# KiCad board RASRF2400WBMC.kicad_pcb (continued)
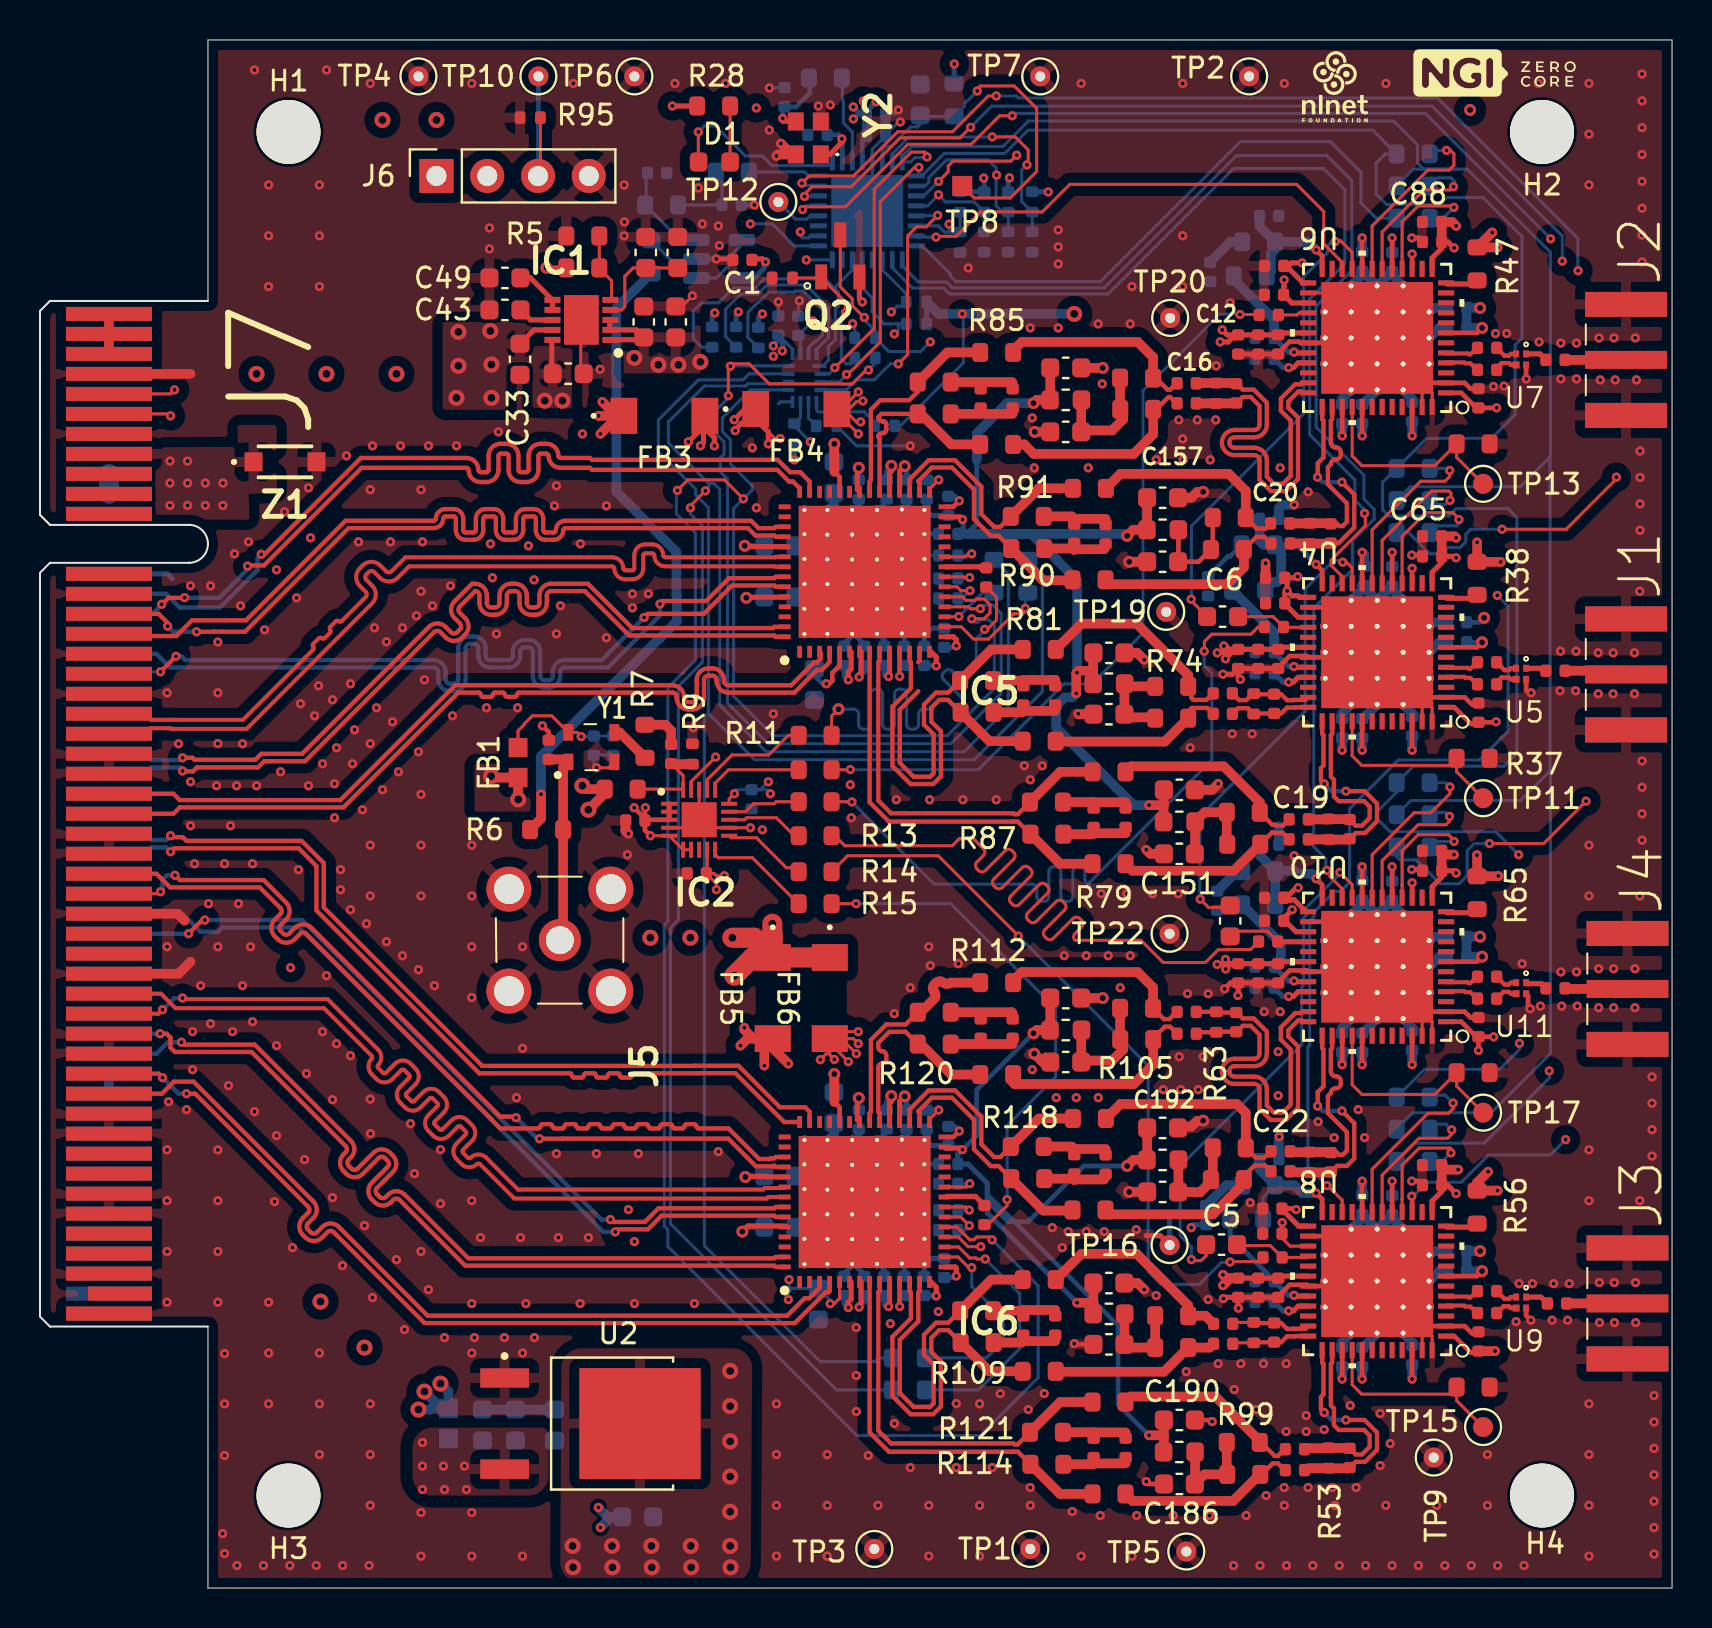
[diagram p0: board, top side]
## Routing (per net, layer and track width the routed paths; a pad name or vN(x,y) marks a point on that pad's centre or on a via; arc(x,y) is an arc through that point) (continued)
/RF-TRANS_4/MAX_CLKOUT: length 25.9
  Top w0.152: v1(65.02,35.8) 65.63,35.18 U10.21 ; C5.1 58.32,16.62 58.08,16.38 57.64,16.38 v1(57.59,16.42)
  Bottom w0.152: v1(65.02,35.8) 64.87,35.64 64.87,35.56 63.33,34.03 63.33,33.62 63.31,33.62 63.21,33.52 63.21,30.16 63.11,30.07 63.11,27.19 57.03,21.1 57.03,17.63 57.21,17.45 57.59,17.06 v1(57.59,16.42)
/RF-TRANS_4/MAX_RXRF_N: length 1.7
  Top w0.2: U10.5 70.36,30.3 71.41,30.3 71.46,30.25 71.55,30.25 71.87,30.57 C146.2
/RF-TRANS_4/MAX_RXRF_P: length 1.7
  Top w0.2: C147.2 71.87,29.47 71.55,29.8 71.29,29.8 71.24,29.85 70.36,29.85 U10.4
/RF-TRANS_4/RFRX: length 1.1
  Top w0.254: U11.1 74.38,30.22 75.09,30.22 C10.2
/RF-TRANS_4/RXBBI_N: length 11.1
  Top w0.216: v1(65.12,23.86) 65.73,23.25 65.73,21.48 65.37,21.11 64.89,21.11 64.59,20.81 C140.2 ; U10.37 64.13,27 64.2,26.94 64.2,25.09 63.91,24.81 63.91,24.11 v1(63.9,24.1)
  Top w0.483: 62.53,20.79 63.51,20.79 R62.2 64.53,20.78 C140.2
  Bottom w0.216: v1(63.9,24.1) 64.15,23.85 65.12,23.85 v1(65.12,23.86)
/RF-TRANS_4/RXBBI_P: length 9.8
  Top w0.216: U10.38 64.63,27 64.57,26.94 64.57,25.83 arc(64.64,25.66) 64.81,25.59 64.83,25.59 arc(65,25.52) 65.07,25.35 65.07,25.23 arc(65,25.06) 64.83,24.99 64.81,24.99 arc(64.64,24.92) 64.57,24.75 64.42,24.61 64.42,23.75 65.37,22.81 65.37,21.87 65.16,21.66 64.98,21.66 64.87,21.77 C140.1 64.53,21.8 ; 63.51,21.79 R62.1
  Top w0.483: 62.51,21.79 63.51,21.79 ; R62.1 64.53,21.8
/RF-TRANS_4/RXBBQ_N: length 17.9
  Top w0.216: C18.1 57.84,28.82 R63.2 58.87,28.78 C141.2 59.86,28.78 60.16,28.49 60.71,28.49 61.36,27.83 61.36,26.73 arc(61.18,26.29) 60.74,26.1 59.75,26.1 arc(59.56,26.03) 59.48,25.84 arc(59.56,25.66) 59.75,25.58 60.74,25.58 arc(61.18,25.4) 61.36,24.95 61.36,24.13 61.72,23.78 62.16,23.78 62.56,24.17 62.56,26.94 62.07,27.43 62.07,28.04 62.78,28.76 63.09,28.76 63.15,28.82 U10.35
/RF-TRANS_4/RXBBQ_P: length 17.9
  Top w0.216: C30.1 57.91,27.8 R63.1 58.86,27.82 C141.1 59.86,27.82 60.16,28.12 60.56,28.12 61,27.68 61,26.73 arc(60.92,26.55) 60.74,26.47 59.75,26.47 arc(59.3,26.29) 59.12,25.84 arc(59.3,25.4) 59.75,25.21 60.74,25.21 arc(60.92,25.14) 61,24.95 61,23.98 61.56,23.41 62.32,23.41 62.92,24.02 62.92,27.09 62.43,27.58 62.43,27.89 62.94,28.39 63.09,28.39 63.15,28.32 U10.36
/RF-TRANS_4/RXRF_N: length 1.2
  Top w0.216: U11.2 73.57,30.27 73.48,30.18 73.25,30.18 C146.1
/RF-TRANS_4/RXRF_P: length 1.1
  Top w0.216: C147.1 73.2,29.82 73.48,29.82 73.57,29.72 U11.3
/RF-TRANS_4/XTAL_MAX: length 4.2
  Top w0.152: C13.2 61.39,32.85 59.79,32.85 C4.2
  Top w0.254: U10.28 61.92,32.32 C13.2
/SPI_MOSI: length 121.9
  Top w0.152: v1(40.34,60.7) 40.41,60.7 42.03,62.33 42.03,69.34 43.74,71.06 v1(43.96,71.06)
  In3.Cu w0.152: v1(73.96,36.67) 73.58,36.3 73.58,27.67 v1(74,27.25)
  Bottom w0.152: v1(43.96,71.06) 43.96,70.75 IC3.9 44.1,70.62 45.22,71.75 48.25,71.75 48.35,71.85 48.35,71.85 49.42,72.92 66.67,72.92 R50.1 67.29,71.72 66.83,71.27 66.83,69.72 67.36,69.2 70,69.2 70.34,69.54 72.19,69.54 74.13,67.59 74.13,62.52 73.78,62.17 73.78,58.67 72.61,57.5 69.36,57.5 R41.1 67.15,55.3 67.15,53.93 67.47,53.61 70.46,53.61 70.83,53.98 73.42,53.98 73.87,53.53 73.87,41.75 73.23,41.11 68.69,41.11 R68.1 67.86,39.8 66.89,38.83 66.89,38.46 67.53,37.83 72.81,37.83 v1(73.96,36.67) ; v1(74,27.25) 74,26.94 73.01,25.94 69.25,25.94 R59.1 ; U3.3 39.99,60.33 40.26,60.6 40.26,60.63 v1(40.34,60.7)
/SPI_SCLK: length 122.1
  Top w0.152: v1(39.76,61.03) 39.9,61.18 39.9,61.18 41.73,63 41.73,69.47 41.73,69.48 41.73,69.97 43.58,71.81 44.27,71.81 44.37,71.72 v1(44.37,71.58)
  Bottom w0.152: 75.55,40.83 75.55,26.73 72.59,23.77 68.68,23.77 R58.1 ; 75.55,40.83 75.48,40.83 74.04,39.39 68.57,39.39 R67.1 ; 75.55,40.83 75.53,40.84 75.53,56.58 75.55,56.59 ; v1(39.76,61.03) 39.76,61.03 39.76,61.03 39.46,60.73 U3.2 ; 75.55,56.59 74.04,55.08 68.54,55.08 R40.1 ; 75.55,56.59 75.55,60.26 75.54,60.26 75.54,60.67 75.55,60.67 75.55,66.81 71.39,70.97 68.7,70.97 R49.1 ; v1(44.37,71.58) 44.33,71.54 43.76,71.54 43.54,71.33 IC3.8 43.13,71.62 43.6,72.09 48.16,72.09 48.22,72.15 48.22,72.16 49.44,73.38 67.7,73.38 68.9,72.17 68.9,71.28 69.21,70.97 70.88,70.97
/uCONTROLLER&LLV-SHIFTER/I2C_SCL: length 45.5
  Top w0.152: v1(6.73,59.92) 6.53,59.72 J7.B5
  In3.Cu w0.152: v1(6.73,59.92) 6.83,59.92 8.03,58.72 26.11,58.72 26.11,58.73 26.42,58.73 26.8,59.11 26.82,59.11 28.23,60.53 34.03,60.53 34.13,60.42 38.03,60.42 40.33,62.72 41.48,62.72 v1(42.58,63.83)
  Bottom w0.152: IC3.19 42.13,65.92 43.33,64.72 R17.2 43.12,64.11 42.87,64.11 v1(42.58,63.83)
/uCONTROLLER&LLV-SHIFTER/I2C_SDA: length 46.7
  Top w0.152: J7.B6 6.43,58.72 v1(6.53,58.62)
  In3.Cu w0.152: v1(6.53,58.62) 6.83,58.33 26.43,58.33 28.33,60.22 33.93,60.22 34.03,60.12 38.13,60.12 39.52,61.52 40.33,62.33 42.33,62.33 v1(42.73,62.72)
  Bottom w0.152: IC3.21 41.13,65.03 41.33,64.82 41.33,64.81 41.62,64.53 41.62,63.84 42.23,63.22 42.93,63.22 ; v1(42.73,62.72) 42.93,62.92 42.93,63.22 ; R16.1 42.93,63.22
/uCONTROLLER&LLV-SHIFTER/LVL_SH_EN: length 22.4
  In3.Cu w0.152: v1(38.53,57.33) 39.23,56.62 39.98,56.62 40.28,56.92 40.83,56.92 42.83,58.92 42.83,60.33 43.83,61.33 43.83,64.53 40.33,68.03 38.23,68.03 v1(38.03,67.83)
  Bottom w0.152: v1(38.53,57.33) 37.85,58.01 37.85,58.12 ; v1(38.03,67.83) 38.03,67.62 38.13,67.53 38.43,67.53 38.53,67.62 IC3.26 ; U3.7 38.04,58.54 R30.2
/uCONTROLLER&LLV-SHIFTER/NRST: length 18.2
  Top w0.152: TP8.1 46.73,69.53 48.53,69.53 49.85,70.84 49.85,74 48.73,75.12 47.03,75.12 46.88,74.97 v1(46.88,74.88)
  Bottom w0.152: IC3.6 42.13,71.92 42.31,72.11 42.57,72.11 43.54,73.08 43.9,73.08 44.02,73.2 C53.1 44.07,73.6 R22.2 46.23,74.11 46.23,74.22 v1(46.88,74.88)
/uCONTROLLER&LLV-SHIFTER/OSC_VC: length 3.6
  Bottom w0.152: R3.1 38.24,70.83 38.44,70.62 IC3.32
/uCONTROLLER&LLV-SHIFTER/SCLK: length 23.4
  Top w0.152: R95.2 25.03,70.75 J6.3
  In3.Cu w0.152: J6.3 26.71,68.83 34.93,68.83 v1(35.53,68.22)
  Bottom w0.152: v1(35.53,68.22) 36.63,68.22 37.73,67.12 IC3.25
  Bottom w0.23: 24.93,75.62 24.93,70.65 J6.3
/uCONTROLLER&LLV-SHIFTER/SPI_CS: length 16.7
  Bottom w0.152: U3.1 39.16,61.12 39.43,61.39 39.43,62.09 39.78,62.44 39.78,63.71 39.78,63.71 39.78,63.97 39.93,64.12 39.93,64.83 39.73,65.03 ; 39.73,65.03 39.28,65.48 36.23,65.48 35.77,65.02 34.69,65.02 33.94,64.28 33.08,64.28 32.68,63.88 32.68,62.47 33.1,62.06 R29.2 ; 39.73,65.03 40.63,65.92 IC3.22
/uCONTROLLER&LLV-SHIFTER/SPI_MISO: length 14
  Top w0.152: v1(42.93,61.22) 43.4,61.69 43.4,67.64 43.85,68.08 44.33,68.08 v1(44.9,68.66)
  Bottom w0.152: IC3.13 43.84,68.64 44.88,68.64 v1(44.9,68.66) ; v1(42.93,61.22) 42.53,61.22 41.73,60.42 40.83,60.42 40.33,59.92 U3.4
/uCONTROLLER&LLV-SHIFTER/SWDIO: length 19.6
  In3.Cu w0.152: J6.2 26.04,66.96 32.46,66.96 33.13,67.62 35.66,67.62 36.58,66.71 37.54,66.71 37.83,66.42 v1(38.33,66.42)
  Bottom w0.152: IC3.24 v1(38.33,66.42)
Net-(C3-Pad1): length 3.7
  Bottom w0.152: C3.1 34.11,70.52 R3.2 ; R2.2 33.82,69.17
Net-(C36-Pad1): length 6.4
  Top w0.152: FB1.2 23.91,42.88 24.23,43.19 24.23,43.22 24.63,43.62 25.6,43.62 Y1.4 26.86,42.79 v1(27.07,42.58)
  Bottom w0.152: v1(27.07,42.58) 27.67,42.58 C36.1 C39.1
Net-(C44-Pad2): length 2.1
  Top w0.483: C44.2 31.57,42.89 31.28,43.17 R7.2
Net-(C81-Pad2): length 2.4
  Bottom w0.23: C81.2 58.43,50.61 59.42,51.6 59.53,51.6 R43.1
Net-(C104-Pad2): length 2
  Bottom w0.483: R52.1 59.53,67.32 58.53,66.33 C104.2
Net-(C127-Pad2): length 2.2
  Bottom w0.483: C127.2 59.35,20.15 R61.1
Net-(C150-Pad2): length 1.7
  Bottom w0.483: C150.2 59.9,35.87 R70.1
Net-(C151-Pad1): length 5
  Top w0.483: C151.1 57.78,36.73 L1.1 58.25,38.8 R72.2 59.36,37.22 R71.1
Net-(C152-Pad1): length 4.9
  Top w0.483: 54.39,43.55 54.24,43.7 C152.1 ; C152.1 54.24,45.22 L2.1 54.39,45.09 R73.1 ; C152.1 54.4,43.55 55.78,43.55
Net-(C153-Pad1): length 5.1
  Top w0.23: L3.1 56.94,51.34 C153.1 57.95,51.33 R75.1 58.66,52.04 R76.2
Net-(C154-Pad1): length 5.8
  Top w0.483: R77.1 54.02,58.96 R78.2 54.18,58.8 54.18,58.45 53.63,57.9 52.48,57.9 52.4,57.83 ; L4.1 52.08,59.41 C154.1
Net-(C159-Pad1): length 3.1
  Top w0.483: R87.1 52.66,37.7 52.7,37.75 54.3,37.75
Net-(C159-Pad2): length 3.1
  Top w0.483: R94.2 52.69,39.31 52.7,39.3 54.3,39.3
Net-(C160-Pad1): length 3.1
  Top w0.483: R88.1 49.14,45.38 49.18,45.42 50.78,45.42
Net-(C160-Pad2): length 3.1
  Top w0.483: R89.2 49.1,43.8 49.18,43.87 50.78,43.87
Net-(C161-Pad1): length 3
  Top w0.483: R90.1 51.66,51.99 51.73,51.92 51.76,51.95 53.24,51.95
Net-(C161-Pad2): length 3.1
  Top w0.483: R91.2 51.61,53.6 51.73,53.47 53.3,53.47
Net-(C162-Pad1): length 3.1
  Top w0.483: 48.65,60.27 48.61,60.31 R92.1
Net-(C162-Pad2): length 3.1
  Top w0.483: R93.2 48.65,58.72
Net-(C186-Pad1): length 5
  Top w0.483: L5.1 57.78,5.22 C186.1 58.24,5.68 R98.1 59.36,5.71 R99.2
Net-(C187-Pad1): length 4.9
  Top w0.483: C187.1 54.4,12.03 R101.2 R100.1 ; C187.1 54.24,13.7 L6.1 ; C187.1 54.24,12.18 54.39,12.03
Net-(C188-Pad1): length 5.2
  Top w0.483: L7.1 56.94,19.82 C188.1 57.64,19.81 57.65,19.8 58.03,19.8 58.66,20.43 R103.2
Net-(C189-Pad1): length 5.8
  Top w0.483: L8.1 52.08,27.89 C189.1 ; 52.4,26.31 52.48,26.38 53.63,26.38 54.18,26.93 54.18,27.29 R105.2 54.02,27.44 R104.1
Net-(C194-Pad1): length 3.1
  Top w0.483: R114.1 52.66,6.19 52.7,6.23 54.3,6.23
Net-(C194-Pad2): length 3.1
  Top w0.483: 54.3,7.78 52.7,7.78 52.69,7.79 R121.2
Net-(C195-Pad1): length 3.1
  Top w0.483: R115.1 49.14,13.87 49.18,13.9 50.78,13.9
Net-(C195-Pad2): length 3.1
  Top w0.483: 50.78,12.35 49.18,12.35 49.1,12.28 R116.2
Net-(C196-Pad1): length 3
  Top w0.483: R117.1 51.66,20.47 51.73,20.41 51.76,20.44 53.24,20.44
Net-(C196-Pad2): length 3.1
  Top w0.483: 53.3,21.96 51.73,21.96 51.61,22.08 R118.2
Net-(C197-Pad1): length 3.1
  Top w0.483: R119.1 48.61,28.8 48.65,28.75
Net-(C197-Pad2): length 3.1
  Top w0.483: R120.2 48.65,27.21
Net-(D1-A): length 2.8
  Top w0.152: R28.1 D1.2
Net-(D1-K): length 9.2
  Top w0.152: D1.1 32.93,71.34 v1(32.93,72.83)
  Bottom w0.152: IC3.1 39.45,71.14 36.62,71.14 36.24,71.53 36.23,71.53 36.13,71.62 35.28,71.62 33.78,73.12 33.23,73.12 v1(32.93,72.83)
Net-(IC1-BYP): length 5.2
  Top w0.152: C38.1 C40.1 29.67,66.03 29.25,65.61 29.25,64.08 29.09,63.92 28.5,63.92
Net-(IC1-EN): length 3.5
  Top w0.152: R5.2 R4.1 ; 28.5,64.42 28.59,64.52 28.59,65.38 27.95,66.02
Net-(IC1-REF): length 2.6
  Top w0.254: C49.1 24.53,65.53 IC1.6 IC1.7
Net-(IC1-VREG): length 1.8
  Top w0.254: IC1.8 24.53,63.42 C43.1
Net-(IC2-CLKOUT1): length 6
  Top w0.152: IC2.17 33.37,40.42 34.61,41.67 36.45,41.67 37.44,42.65 R11.1
Net-(IC2-CLKOUT2): length 4.8
  Top w0.152: IC2.16 33.77,40.25 34.44,40.92 R10.1
Net-(IC2-CLKOUT3): length 3.7
  Top w0.152: R12.1 36.82,39.33 36.72,39.22 35.69,39.22 35.28,38.83 IC2.14
Net-(IC2-CLKOUT4): length 3.8
  Top w0.152: IC2.13 35.24,38.42 35.34,38.53 36.83,38.53 37.63,37.72 37.81,37.72 37.91,37.62
Net-(IC2-CLKOUT5): length 4.2
  Top w0.152: R14.1 37.75,36.03 37.33,36.03 35.93,37.43 35.93,37.44 35.84,37.53 34.57,37.53 IC2.11
Net-(IC2-CLKOUT6): length 5.4
  Top w0.152: R15.1 37.93,34.22 35.63,36.53 33.93,36.53 33.77,36.69 IC2.10
Net-(IC3-PB4): length 2.4
  Bottom w0.152: IC3.28 38.51,68.62 38.34,68.46 37.79,68.46 TP12.1
Net-(IC3-PC14-OSCX_IN): length 3.6
  Top w0.152: 40.07,72.47 40.08,72.48 v1(40.11,72.48)
  Top w0.254: 40.07,72.47 40.13,72.41 40.13,72.33 39.5,71.7 Y2.1
  Bottom w0.23: IC3.2 40.13,72.46 v1(40.11,72.48) 40.11,72.53 39.95,72.69 39.38,72.69 C52.1
Net-(IC3-PC15-OSCX_OUT): length 4.4
  Bottom w0.152: R25.2 40.1,75.08 40.13,75.05 40.13,74.41 40.18,74.36 40.18,73.28 40.63,72.83 IC3.3
Net-(IC5-CLKM): length 1.9
  Top w0.152: v1(46.5,50.54) 46.21,50.54 46.18,50.57 IC5.21
  Bottom w0.152: C167.2 46.27,50.5 46.32,50.54 v1(46.5,50.54)
Net-(IC5-SCLK): length 5.9
  Top w0.152: v1(49.28,49) 49.28,48.85 49.16,48.72 48.68,48.72 48.68,48.7 47.45,47.46 46.69,47.46 46.08,48.07 IC5.16
  Bottom w0.152: v1(49.28,49) 49.28,49.65 R96.2
Net-(IC5-SDATA): length 3
  Top w0.152: v1(45.96,48.59) 45.93,48.59 45.91,48.57 IC5.17
  Bottom w0.152: R97.2 47.15,49.78 v1(45.96,48.59)
Net-(IC6-CLKM): length 1.9
  Top w0.152: IC6.21 46.32,19.06 v1(46.48,18.9)
  Bottom w0.152: C202.2 v1(46.48,18.9)
Net-(IC6-SCLK): length 10.2
  Top w0.152: v1(46.6,16.03) 46.46,16.03 45.92,16.56 IC6.16
  Bottom w0.152: v1(46.6,16.03) 46.6,15.08 48.18,13.5 48.18,12.35 47.34,11.51 R123.2
Net-(IC6-SDATA): length 13.1
  Top w0.152: IC6.17 45.95,17.06 46.5,16.51 46.81,16.51 46.86,16.45 v1(47.28,16.45)
  Bottom w0.152: R124.2 46.94,9.91 49,11.97 49,14.73 v1(47.28,16.45)
Net-(J5-I): length 10.1
  Top w0.483: J5.5 26.17,32.57 R6.1 26.17,41.05 Y1.1 26.3,41.44 C41.1
Net-(J7-+12V-PadA2): length 1
  Bottom w0.483: J7.A2 J7.A3
Net-(J7-+12V-PadB1): length 2
  Top w0.483: J7.B3 J7.B2 J7.B1
Net-(Q2-Pad1): length 6.9
  Top w0.152: 37.83,65.53 39.03,65.53 Q2.1 39.07,65.53 40.29,64.31 40.29,63.79 v1(40.29,63.79)
  Bottom w0.152: R126.2 40.75,61.42 40.55,61.22 40.33,61.22 40.08,61.47 40.08,62.31 40.08,62.32 40.08,63.59 v1(40.29,63.79)
Net-(R7-Pad1): length 2.1
  Top w0.483: Y1.3 28.99,42.79 R7.1
Net-(U1-+): length 4.9
  Bottom w0.152: U1.3 32.02,67.42 R2.1 30.32,69.22 30.32,70.77
Net-(U1--): length 6.5
  Bottom w0.152: R1.2 32.44,65.52 U1.1 33.83,65.52 34.63,66.32 34.63,66.72 35.1,67.2 U1.4
Net-(U2-VIN): length 0.1
  Bottom w0.483: 20.53,7.38 FB2.1
  vias: v1(19.13,7.28) v1(19.13,6.1) v1(19.13,4.93) v1(20.18,6.1) v1(20.23,4.93) v1(21.23,6.1) v1(21.33,4.93)
Net-(U3-DIR1): length 9.1
  Bottom w0.152: U3.15 38.44,62.03 38.75,62.34 38.81,62.34 39.13,62.66 39.13,63.92 38.19,64.87 37.79,64.87 37.73,64.81 36.45,64.81 35.94,64.3 35.91,64.3 35.41,63.81 35.41,63.62 35.4,63.61 35.4,62.55 R34.1
Net-(U3-DIR2): length 10.8
  Bottom w0.152: U3.16 38.84,61.94 39.43,62.53 39.43,64.05 38.31,65.17 36.36,65.17 35.9,64.71 35.05,64.71 34.29,63.96 34.29,62.58 R33.1
Net-(U3-DIR3): length 3.7
  Bottom w0.152: U3.5 38.84,58.92 38.93,58.83 41.23,58.83 41.73,58.33 R32.1
Net-(U3-DIR4): length 1.4
  Bottom w0.152: R31.1 38.44,58.52 U3.6
Net-(U4A-*SHDN): length 1.6
  Top w0.254: U4.12 70.38,49.5 71.71,49.5 R38.2
Net-(U4A-BYPASS): length 2
  Top w0.254: v1(62.46,45.31) 62.69,45.31 62.93,45.55 U4.33
  Bottom w0.254: v1(62.46,45.31) 62.17,45.31 C76.2
Net-(U4A-DIN): length 9
  Top w0.152: v1(70.51,55.89) 70.51,55.59 70.27,55.36 69.06,55.36 66.63,52.93 U4.19
  Bottom w0.152: v1(70.51,55.89) 70.41,56 R41.2
Net-(U4A-RSSI): length 7.7
  Top w0.152: v1(70.97,53.44) 70.87,53.55 70.87,53.59 70.67,53.78 69.32,53.78 68.13,52.6 68.13,50.89 68.13,50.89 U4.16
  Bottom w0.152: R39.2 69.84,53.12 70.87,53.12 70.97,53.23 v1(70.97,53.44)
Net-(U4A-RXHP): length 9.8
  Top w0.152: U4.40 65.63,41.62 66.11,41.14 70.5,41.14 R37.2 70.86,40.82 TP11.1
Net-(U4A-SCLK): length 8.2
  Top w0.152: v1(70.52,54.4) 70.57,54.44 70.57,54.77 70.47,54.86 69.6,54.86 67.13,52.4 U4.18
  Bottom w0.152: v1(70.52,54.4) 70.32,54.19 69.71,54.19 R40.2
Net-(U4A-TUNE): length 6
  Top w0.254: U4.32 62.83,46.05 62.79,46.09 v1(62.72,46.09)
  Bottom w0.254: C79.2 62.45,46.08 62.71,46.08 v1(62.72,46.09)
  Bottom w0.483: C79.2 61.73,47.8 R42.2
Net-(U6A-*SHDN): length 1.6
  Top w0.254: U6.12 70.38,65.22 71.71,65.22 R47.2
Net-(U6A-BYPASS): length 2
  Top w0.254: v1(62.46,61.04) 62.69,61.04 62.93,61.27 U6.33
  Bottom w0.254: C99.2 62.17,61.04 v1(62.46,61.04)
Net-(U6A-DIN): length 9.4
  Top w0.152: U6.19 66.63,68.13 69.42,70.92 70.48,70.92 70.72,71.16 70.72,71.73 70.55,71.91 v1(70.35,71.91)
  Bottom w0.152: R50.2 69.69,71.91 v1(70.35,71.91)
Net-(U6A-RSSI): length 6.7
  Top w0.152: v1(70.72,69.06) 70.65,69.12 68.93,69.12 68.13,68.33 68.13,66.61 U6.16
  Bottom w0.152: v1(70.72,69.06) 70.18,68.52 R48.2
Net-(U6A-RXHP): length 10.9
  Top w0.152: TP13.1 70.86,56.55 R46.2 69.77,56.14 66.12,56.14 65.63,56.62 U6.40
Net-(U6A-SCLK): length 8.1
  Top w0.152: U6.18 67.13,67.83 69.23,69.92 70.54,69.92 v1(70.7,70.08)
  Bottom w0.152: R49.2 69.52,70.12 69.92,70.53 70.58,70.53 70.76,70.34 70.76,70.14 v1(70.7,70.08)
Net-(U6A-TUNE): length 6
  Top w0.254: U6.32 62.83,61.77 62.79,61.82 v1(62.72,61.82)
  Bottom w0.254: C102.2 62.45,61.81 62.71,61.81 v1(62.72,61.82)
  Bottom w0.483: R51.2 59.81,65.52 59.81,65.35 61.73,63.42 C102.2
Net-(U8A-*SHDN): length 1.6
  Top w0.254: R56.2 71.71,18.05 70.38,18.05 U8.12
Net-(U8A-BYPASS): length 2
  Top w0.254: v1(62.46,13.86) 62.69,13.86 62.93,14.1 U8.33
  Bottom w0.254: C122.2 62.17,13.86 v1(62.46,13.86)
Net-(U8A-DIN): length 9.1
  Top w0.152: U8.19 66.63,20.95 69.43,23.75 70.45,23.75 70.68,23.97 v1(70.68,24.25)
  Bottom w0.152: R59.2 69.61,24.66 70.28,24.66 v1(70.68,24.25)
Net-(U8A-RSSI): length 6.6
  Top w0.152: U8.16 68.13,19.44 68.13,19.44 68.13,21.15 68.99,22 70.53,22 70.57,21.96 v1(70.57,21.77)
  Bottom w0.152: v1(70.57,21.77) 70.14,21.34 R57.2
Net-(U8A-RXHP): length 9.8
  Top w0.152: U8.40 65.63,10.17 66.11,9.69 70.5,9.69 R55.2 70.86,9.37 TP15.1
Net-(U8A-SCLK): length 7.7
  Top w0.152: U8.18 67.13,20.65 68.98,22.5 70.41,22.5 70.61,22.69 v1(70.61,22.92)
  Bottom w0.152: v1(70.61,22.92) 70.32,23.2 69.76,23.2 R58.2
Net-(U8A-TUNE): length 6
  Top w0.254: v1(62.72,14.64) 62.79,14.64 62.83,14.6 U8.32
  Bottom w0.254: R60.2 59.53,17.58 61.73,15.37 C125.2 62.45,14.63 62.71,14.63 v1(62.72,14.64)
Net-(U10A-*SHDN): length 1.6
  Top w0.254: R65.2 71.71,33.77 70.38,33.77 U10.12
Net-(U10A-BYPASS): length 2
  Top w0.254: v1(62.46,29.59) 62.69,29.59 62.93,29.82 U10.33
  Bottom w0.254: v1(62.46,29.59) 62.17,29.59 C145.2
Net-(U10A-DIN): length 8.7
  Top w0.152: U10.19 66.63,36.68 68.73,38.77 69.57,38.77 70.52,39.72 v1(70.52,40.06)
  Bottom w0.152: R68.2 70.31,40.27 v1(70.52,40.06)
Net-(U10A-RSSI): length 6.8
  Top w0.152: v1(70.73,37.34) 70.73,37.4 70.46,37.67 68.93,37.67 68.13,36.87 68.13,35.16 U10.16
  Bottom w0.152: R66.2 69.78,37.33 70.73,37.33 v1(70.73,37.34)
Net-(U10A-RXHP): length 10.9
  Top w0.152: U10.40 65.63,25.17 66.12,24.68 69.77,24.68 R64.2 70.86,25.1 TP17.1
Net-(U10A-SCLK): length 7.4
  Top w0.152: U10.18 67.13,36.38 68.93,38.17 70.32,38.17 70.5,38.36 v1(70.5,38.59)
  Bottom w0.152: v1(70.5,38.59) 70.31,38.78 69.62,38.78 R67.2
Net-(U10A-TUNE): length 6.1
  Top w0.254: U10.32 62.83,30.32 62.79,30.37 v1(62.72,30.37)
  Bottom w0.254: C148.2 62.45,30.36 62.71,30.36 v1(62.72,30.37)
  Bottom w0.483: C148.2 62.06,31.41 62.06,32.24 R69.2
Net-(Y2-X2): length 3.8
  Top w0.23: v1(37.15,73.5) 37.15,73.36 37.16,73.35 37.81,73.35
  Bottom w0.23: v1(37.15,73.5) 37.15,74 C54.1 37.25,74.08 37.81,74.08 38.5,74.77 38.5,75.47 R25.1

## Copper pours and planes (outline as drawn; the poured copper is in the pictures)
+1V8 on Top, Bottom, In2.Cu, In3.Cu: 35.54,0.26 26.02,0.26 26.08,12 35.63,12
+1V8 on In2.Cu: 37.33,59.22 37.23,59.12 35.63,59.12 35.63,58.53 29.73,58.53 29.73,60.22 35.23,60.22 35.23,62.33 37.33,62.33
+1V8 on In2.Cu, In3.Cu: 26.23,60.22 26.13,11.12 32.23,7.12 35.22,7.12 37.88,11.17 37.88,58.58 36.23,60.22
+3V3 on Top: 24.63,63.33 24.63,62.12 26.63,62.12 26.61,59 24.63,59.03 24.63,61.12 23.33,61.12 23.33,58.92 20.13,58.92 20.13,63.33
+3V3 on Top, Bottom: 9.88,57.07 9.88,58.17 11.84,58.17 11.85,54.78 10.43,54.72 10.48,53.42 1.18,53.5 1.18,57.03
+3V3 on Top, In2.Cu: 24.53,38.83 21.73,38.83 21.73,41.22 24.53,41.22
+3V3 on In2.Cu: 52.83,68.72 46.63,68.72 46.63,72.72 52.83,72.72
+3V3 on In2.Cu, In3.Cu: 75.03,74.53 74.93,15.72 72.63,15.72 72.63,15.53 70.53,15.53 70.53,15.72 69.33,15.72 69.33,71.72 34.93,71.72 34.93,67.03 36.53,67.03 36.53,63.53 31.83,63.53 31.83,71.72 18.53,71.72 18.53,69.33 26.53,69.33 26.53,59.03 13.53,58.94 13.93,17.83 20.43,11.12 21.43,11.12 21.43,8.12 18.13,8.12 10.73,15.92 10.73,53.42 1.18,53.39 1.23,62.92 16.03,63.03 16.03,74.53
+3V3 on In2.Cu, In3.Cu: 72.53,62.53 70.43,62.53 70.43,64.62 72.53,64.62
+3V3 on In2.Cu, In3.Cu: 73.13,46.92 71.03,46.92 71.03,49.03 73.13,49.03
+3V_RF on Top: 33.05,60.75 29.19,60.75 29.19,63.16 33.05,63.16
+3V_RF on In2.Cu: 62.93,9.03 75.73,9.12 75.83,64.62 73.73,64.62 73.73,68.22 71.73,68.22 71.73,10.62 62.93,10.62
+3V_RF on In2.Cu, In3.Cu: 68.23,35.62 62.33,35.62 62.33,36.72 68.23,36.72
+3V_RF on In2.Cu, In3.Cu: 61.93,63.53 61.93,67.72 63.53,67.72 63.53,9.12 58.73,9.12 58.53,61.62 33.63,61.42 33.63,60.72 29.23,60.72 29.23,63.42
+3V_RF on In2.Cu, In3.Cu: 68.93,57.33 63.03,57.33 63.03,57.92 68.93,57.92
+3V_RF on In2.Cu, In3.Cu: 68.93,41.62 63.03,41.62 63.03,42.22 68.93,42.22
+3V_RF on In2.Cu, In3.Cu: 67.93,67.22 61.93,67.22 61.93,68.22 67.93,68.22
+3V_RF on In2.Cu, In3.Cu: 69.03,25.83 63.13,25.83 63.13,26.42 69.03,26.42
+3V_RF on In2.Cu, In3.Cu: 68.33,19.92 62.43,19.92 62.43,21.03 68.33,21.03
+3V_RF on In2.Cu, In3.Cu: 67.93,51.22 62.03,51.22 62.03,52.33 67.93,52.33
/ADC_1/1V8_AVDD on In2.Cu: 39.53,59.33 39.53,44.92 45.03,44.92 47.63,47.53 47.63,56.03 43.33,60.33 40.53,60.33
/ADC_1/1V8_DVDD on In2.Cu: 39.83,45.62 39.93,45.53 39.93,45.03 39.83,44.92 36.73,44.92 36.63,45.03 36.63,45.53 36.73,45.62
/ADC_1/1V8_DVDD on In3.Cu: 34.23,58.62 40.33,58.58 40.33,56.53 36.23,56.53 36.15,46.53 39.63,46.53 39.63,45.03 36.13,45.03 36.13,44.72 32.25,44.72 32.25,59.03 33.63,59.03 33.63,59.67 34.22,59.67
/ADC_2/1V8_AVDD on In2.Cu: 38.73,29.51 42.53,29.51 42.53,24.92 46.13,24.92 46.23,25.03 46.63,25.03 46.73,24.92 46.73,14.62 45.93,13.83 40.03,13.83 38.73,15.12
/ADC_2/1V8_DVDD on In2.Cu, In3.Cu: 34.63,14.22 39.13,14.22 39.13,15.83 37.13,15.83 37.13,23.92 40.43,23.92 40.43,26.22 37.93,26.22 37.93,28.62 35.53,28.62 34.63,27.72
GND on Top, Bottom, In1.Cu, In4.Cu: 81.63,77.42 81.63,0.03 8.63,-0.07 8.63,13.08 0.53,13.05 0.5,64.37 8.53,64.38 8.53,77.33
GND on In1.Cu, In4.Cu: 8.63,13.08 0.53,13.05 0.5,64.37 8.53,64.38 8.53,77.33 81.63,77.42 81.63,0.03 8.63,-0.07
Net-(U2-VIN) on Top, Bottom: 25.43,4.62 18.63,4.62 18.63,8.03 25.23,8.03 25.43,7.82

## Text on the board
B.Silkscreen: RASRF2400BMC Rev A / 4Ch. 2.4GHz Receiver / 30.3.2026 MD (TW) / Licensed under CERN-OHL-S-2.0
F.Fab: F.Silkscreen | F.Paste | F.Mask | F.Cu | Dielectric | In1.Cu | In2.Cu | In3.Cu | In4.Cu | B.Cu | B.Mask | B.Paste | B.Silkscreen | Top Silk Screen | Top Solder Paste | Top Solder Mask | copper | prepreg | core | Bottom Solder Mask | Bottom Solder Paste | Bottom Silk Screen | Not specified | FR4 | 0 mm | 0,0102 mm | 0,03048 mm | 0,2032 mm | 1 | 3,3 | 4,5 | 0 | 0,02 | Layer Name | Type | Material | Thickness (mm) | Color | Epsilon R | Loss Tangent
